# Altium PCB PCB2.PcbDoc
Units mil, origin at the board's own origin, x right, y up, seen from the top; angles counter-clockwise.
Board outline 2351.91 x 5114.16 mil, 2 copper layers (Top Layer, Bottom Layer); 63 components, 49 nets, 333 pads, 134 vias.
Unrouted connection lines stored in the file: 3.
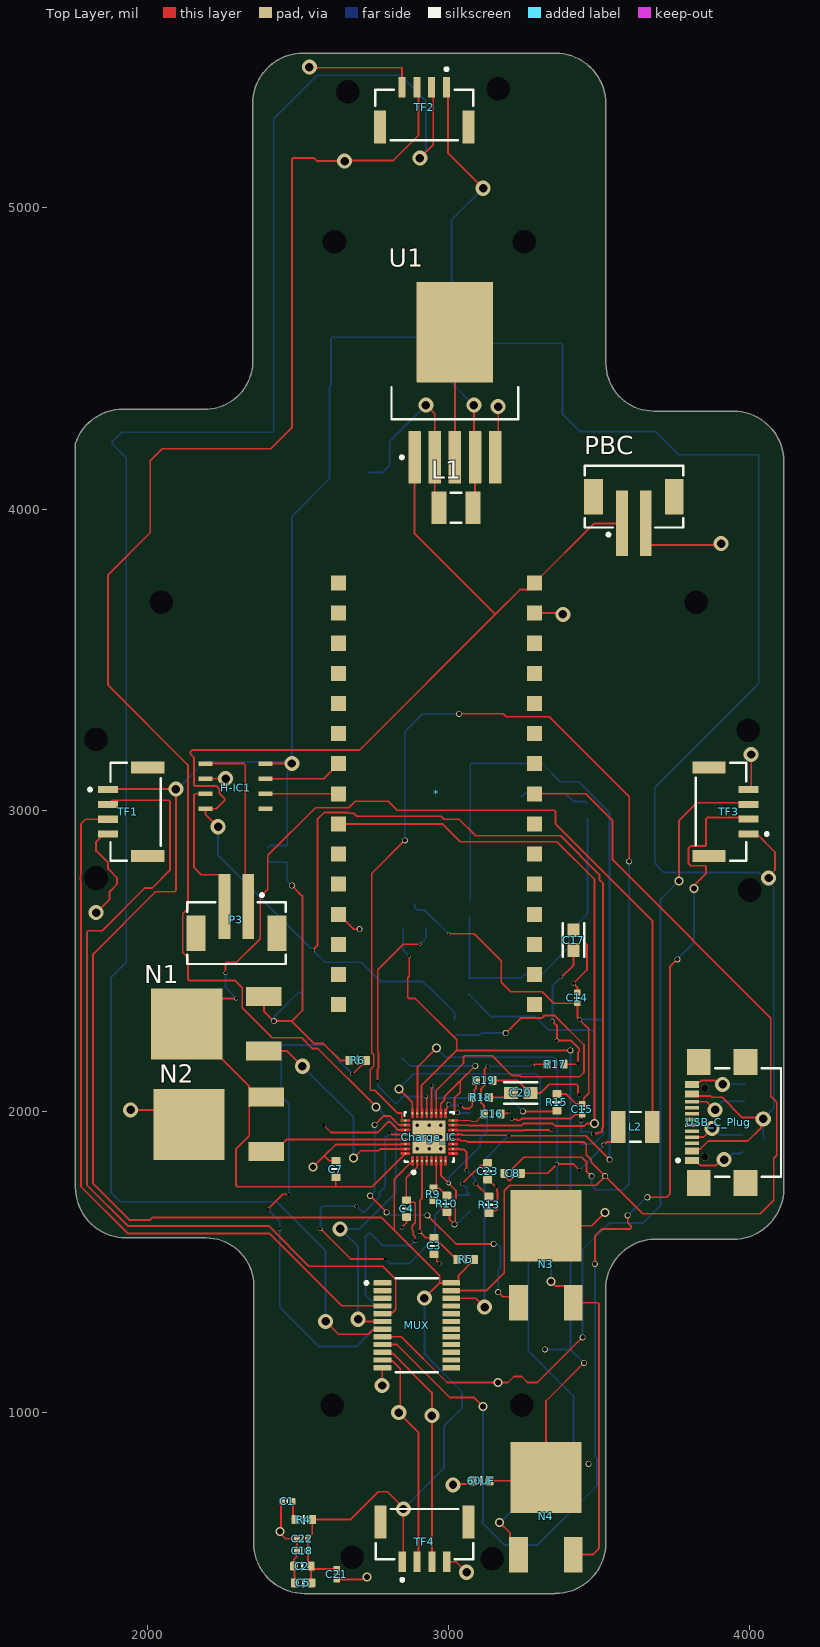
[diagram p0: Top Layer view]
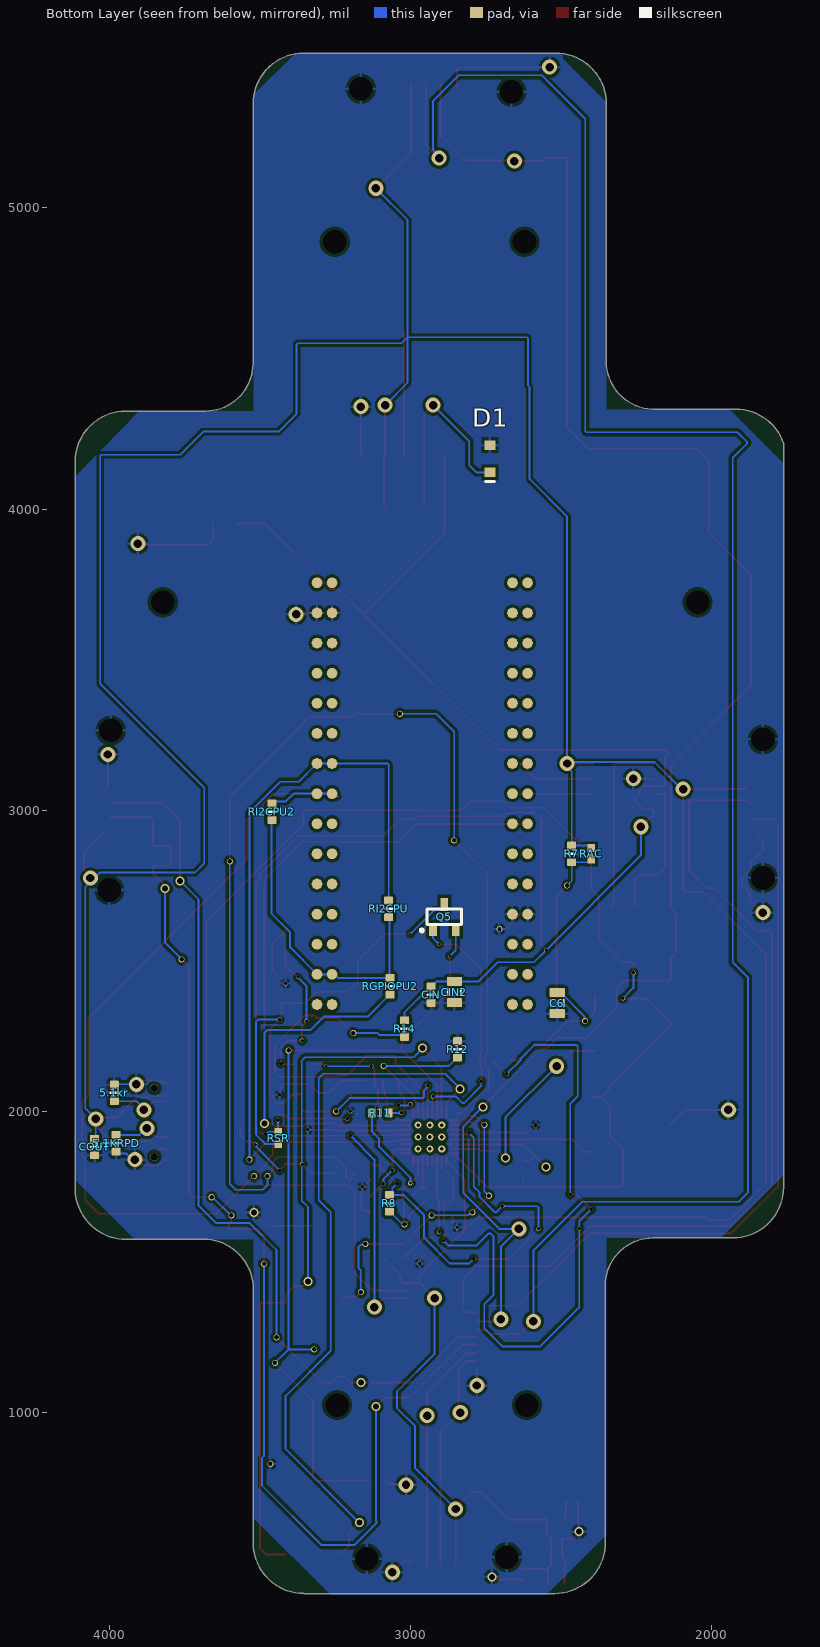
[diagram p1: Bottom Layer view, seen from below]
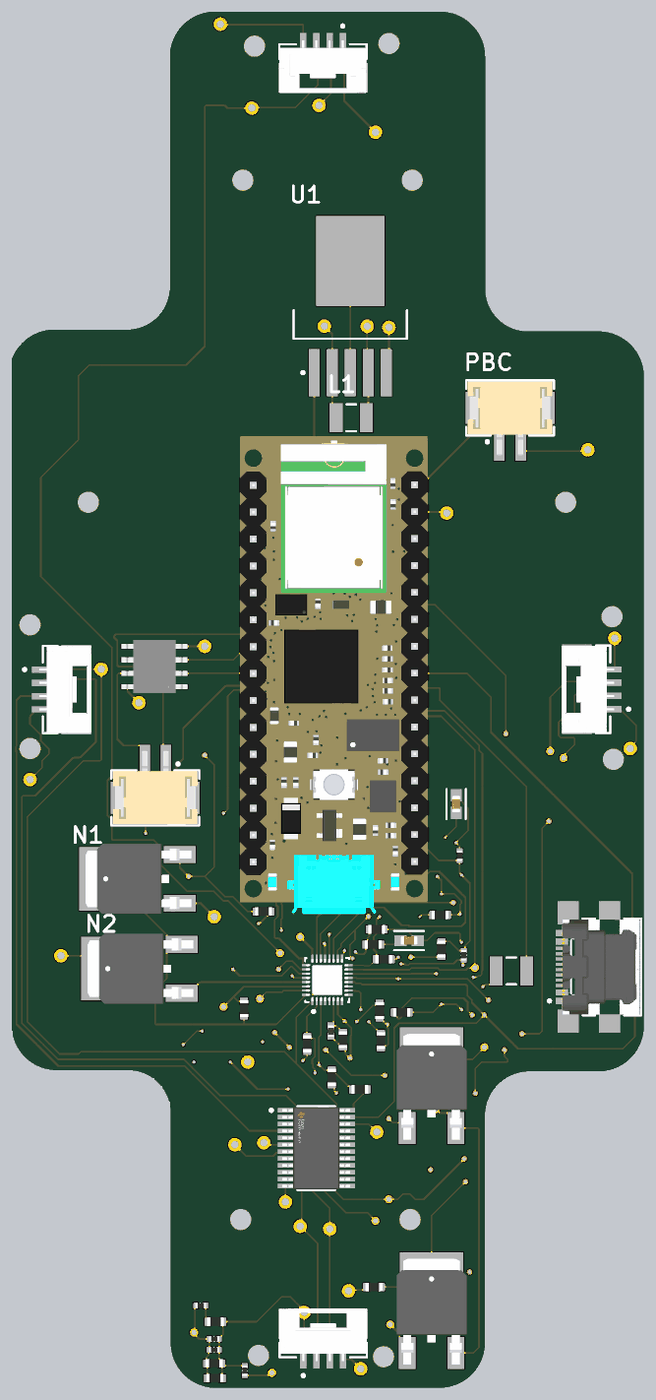
[diagram p2: 3D render of the assembled board from above, using the file's embedded part models]
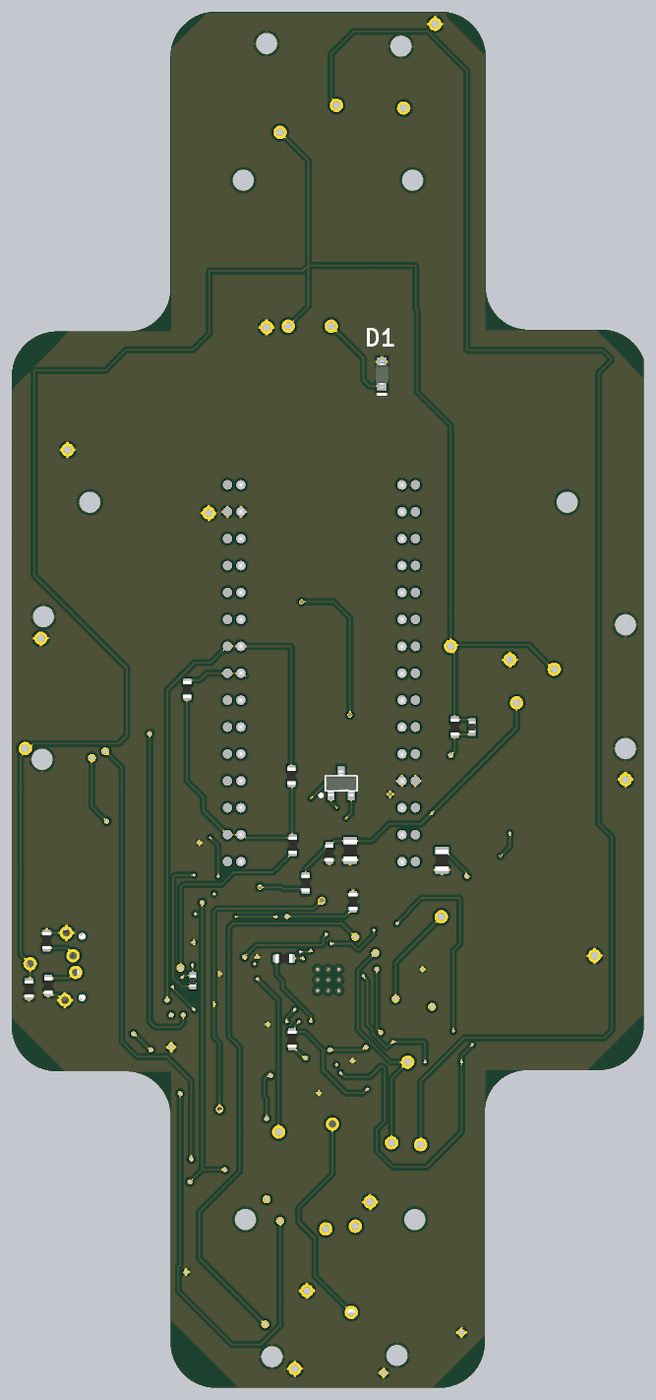
[diagram p3: 3D render of the assembled board from below, using the file's embedded part models]

## Layer stack, top to bottom
Top Solder: solder mask 0.4, Solder Resist, Dk 3.5
Top Layer: signal copper 1.4
Dielectric 1: dielectric 12.6, FR-4, Dk 4.8
Bottom Layer: signal copper 1.4
Bottom Solder: solder mask 0.4, Solder Resist, Dk 3.5

## Board outline
1930,1579.98 2195,1579.98 cw(c2195,1421.56) 2353.42,1421.56 2353.42,568.48 2353.37,567.75 ccw(c2521.83,567.75) 2521.83,399.3 3353.7,399.3 3355.25,399.54 ccw(c3353.7,567.99) 3522.16,567.99 3522.16,1410 cw(c3687.84,1409.91) 3687.92,1575.59 3944.84,1575.59 ccw(c3944.84,1744.05) 4113.28,1742.14 4113.45,1743.44 4113.45,4156.56 ccw(c3945,4156.56) 3945.95,4325.01 3945,4325.1 3681.34,4325.1 cw(c3681.34,4483.53) 3522.92,4483.53 3522.9,4483.94 3522.9,5344.94 ccw(c3354.44,5344.94) 3355.23,5513.39 3354.44,5513.45 2518.44,5513.45 ccw(c2518.44,5345) 2349.99,5345 2349.99,4490 cw(c2191.56,4490) 2198.89,4331.75 1920.41,4331.75 ccw(c1920.41,4163.29) 1761.85,4220.16 1761.55,4218.44 1761.55,1748.44 ccw(c1930,1748.44)

## Design rules (kind name [scope] priority, off if disabled: settings)
Clearance Clearance_1 [All] p1: gap=10 ignorepadtopadclearanceinfootprint=FALSE
Clearance [All] p2: gap=10 ignorepadtopadclearanceinfootprint=FALSE
PolygonConnect [All] p1: connectstyle=Relief reliefconductorwidth=10 reliefentries=4 polygonreliefangle="90 Angle" airgapwidth=10
RoutingVias RoutingVias_1 [All] p1: holewidth=3.94 width=4.5 viastyle="Through Hole" minholewidth=3.94 minwidth=3.94 maxholewidth=28 maxwidth=50
SolderMaskExpansion [All] p1: expansion=4 istentingtop=FALSE
SupplyNets "Schematic Supply Nets" [InNet('VBUS')] p1: voltage=0.000
SupplyNets "Schematic Supply Nets_1" [InNet('BAT-')] p2: voltage=0.000
Width [All] p1: maxlimit=10 minlimit=1 preferedwidth=6 minimp=50.000000 maximp=50.000000 favimp=50.000000
30 further rules are at their usual default settings.

## Components (designator, comment, footprint, x,y, rotation, side; value= is the part's Value field where it differs from the comment)
5.1kr "5K1 0.1 0603" RESC0603(1608)_L 3983.1,2061.42 r90 bottom value=5.1k (schematic designator 5.1KRPD2)
5.1KRPD "5K1 0.1 0603" RESC0603(1608)_L 3977.19,1894.27 r270 bottom value=5.1k
60uF "0603-CAP" RESC0603(1608)_L 3109.26,773.83 r0 top value=60uF
* "ARDUNIO_33_NANO_IOT" Arduino33NanoIOT 3310.55,2204.41 r90 top
C1 "Capacitor 1u" RESC0402(1005)_L 2465,705 r0 top value=1µF
C2 "0603-CAP" RESC0603(1608)_L 2515,490 r0 top value=40uF
C3 "Capacitor 33n" RESC0603(1608)_L 2952.43,1553.22 r90 top value=33nF
C4 "Capacitor 33n" RESC0603(1608)_L 2861.09,1677.49 r90 top value=33nF
C5 "Capacitor 470n" RESC0603(1608)_L 2517.56,435 r0 top value=470nF
C6 "Capacitor 10u" RESC0805(2012)_L 2512.76,2360.08 r90 bottom value=10µF
C7 "Capacitor 47n" RESC0603(1608)_L 2625.95,1808.75 r270 top value=47nF
C8 "Capacitor 47n" RESC0603(1608)_L 3212.98,1794.69 r0 top value=47nF
C14 "Capacitor 1u" RESC0402(1005)_L 3428.01,2376.93 r270 top value=1µF
C15 "Capacitor 1u" RESC0402(1005)_L 3443.54,2006.87 r270 top value=1µF
C16 "Capacitor 33p" RESC0603(1608)_L 3145.98,1992.05 r180 top value=33pF
C17 "1800pf" FP-GRM188-0_1-e0_2_0_5-IPC_A 3415.49,2568.85 r270 top
C18 "Capacitor 1u" RESC0402(1005)_L 2514.83,540.75 r0 top value=1µF
C19 "Capacitor 33p" RESC0603(1608)_L 3119.44,2103.1 r180 top value=33pF
C20 "1800pf" FP-GRM188-0_1-e0_2_0_5-IPC_A 3240.06,2061.42 r180 top
C21 "Capacitor 1u" RESC0402(1005)_L 2628.94,463.46 r90 top value=1µF
C22 "Capacitor 1u" RESC0402(1005)_L 2515.17,581.25 r0 top value=1µF
C23 "Capacitor 3u3" RESC0603(1608)_L 3130.36,1801.26 r90 top value=3.3µF
Charge_IC "BQ25703ARSNT" FP-RSN0032B-MFG 2935.55,1915 r90 top
CIN "0603-CAP" RESC0603(1608)_L 2931.35,2387.7 r90 bottom value=470u
CIN2 "Capacitor 10u" RESC0805(2012)_L 2854.07,2396.51 r90 bottom value=10µF
COUT "0603-CAP" RESC0603(1608)_L 4048.79,1881.97 r90 bottom value=470u
D1 "DIODE_SCHOTTKY_SOD-323" SOD-323 2736.25,4166.72 r90 bottom
H-IC1 "DriveMotorControl" TB67H451FNG,EL 2393.04,3004.69 r90 top
L1 "22uH" INDC3225X24N 3024.93,4004.22 r0 top
L2 "IND_1210" INDC3225X24N 3620.53,1948.59 r180 top value=2.2uH
MUX "TCA9548APWR" FP-PW0024A-MFG 2895,1290 r0 top
N1 "Q1" DPAK(2-7K1S) 2249.3,2290.69 r90 top
N2 "Q2" DPAK(2-7K1S) 2256.53,1956.86 r90 top
N3 "Q3" DPAK(2-7K1S) 3323.67,1502.21 r0 top
N4 "Q4" DPAK(2-7K1S) 3323.67,666.6 r0 top
P3 "620302124022" 620302124022 2296.09,2591.93 r0 top
PBC "620302124022" 620302124022 3615.71,4040.98 r180 top
Q5 "DMP3056L-7" SOT96P240X110-3N/SOT23-3 2887.64,2645.86 r90 bottom
R4 "2R2 5 0603" RESC0603(1608)_L 2520,645 r0 top value=2.2
R5 "5R1 5 0603" RESC0603(1608)_L 3056.81,1508.57 r0 top value=5.1
R6 "5R1 5 0603" RESC0603(1608)_L 2698.32,2169.21 r180 top value=5.1
R7 "1K 0.1 0603" RESC0603(1608)_L 2465,2855 r90 bottom value=1k
R8 "10R 0.1 0603" RESC0603(1608)_L 3070,1695 r270 bottom value=10
R9 "Resistor 0R +/- 5% 0402 100 mW" RESC1005X40X25ML05T05 2950,1725 r270 top value=0
R10 "1R 5 0603" RESC0603(1608)_L 2994.41,1692.77 r90 top value=1
R11 "300K 0.1 0603" RESC0603(1608)_L 3100,1995 r0 bottom value=300k
R12 "200K 0.1 0603" RESC0603(1608)_L 2843.26,2206.05 r270 bottom value=200k
R13 "30K 0.1 0603" RESC0603(1608)_L 3135,1690 r90 top value=30k
R14 "10R 0.1 0603" RESC0603(1608)_L 3020,2275 r270 bottom value=10
R15 "10R 0.1 0603" RESC0603(1608)_L 3360,2030 r270 top value=10
R17 "2R2 5 0603" RESC0603(1608)_L 3355.24,2156.78 r0 top value=2.2
R18 "2R2 5 0603" RESC0603(1608)_L 3106.74,2046.81 r0 top value=2.2
RAC "Resistor 0R +/- 5% 0402 100 mW" RESC1005X40X25ML05T05 2400,2855 r270 bottom value=0
RGPIOPU2 "10K 0.1 0603" RESC0603(1608)_L 3067.45,2415.61 r270 bottom value=10k
RI2CPU "10K 0.1 0603" RESC0603(1608)_L 3072.47,2672.76 r90 bottom value=10k
RI2CPU2 "10K 0.1 0603" RESC0603(1608)_L 3460,2995 r90 bottom value=10k
RSR "Resistor 0R +/- 5% 0402 100 mW" RESC1005X40X25ML05T05 3439.6,1911.67 r90 bottom value=0
TF1 "BM04B-GHS-TBT(LF)(SN)(N)" FP-BM04B-GHS-TBT_LF_SN-MFG 1961.54,2994.61 r90 top
TF2 "BM04B-GHS-TBT(LF)(SN)(N)" FP-BM04B-GHS-TBT_LF_SN-MFG 2919.61,5308.46 r0 top
TF3 "BM04B-GHS-TBT(LF)(SN)(N)" FP-BM04B-GHS-TBT_LF_SN-MFG 3905,2995 r270 top
TF4 "BM04B-GHS-TBT(LF)(SN)(N)" FP-BM04B-GHS-TBT_LF_SN-MFG 2920.39,596.54 r180 top
U1 "LM2596S-5.0/NOPB" KTT0005B_M 3021.25,4419.71 r90 top
USB_C_Plug "USB4110-GF-A" FP-USB4110-GF-A-MFG 3953.57,1963.36 r90 top

## Footprints (in the part's own frame and the unit in brackets; to place one, negate y for a bottom-side part, rotate by r counter-clockwise, add the part's x,y. Pads: shape width x height; smd on the part's side, far side on the other; paste and mask are expansions set on the pad)
620302124022 [mm] "2.00mm SMT Male Vertical Shrouded Header, 2p"
  rect 1x5.5 smd: 1(1,2.25) 2(-1,2.25)
  rect 1.6x3 smd: MP1(-3.4,0) MP2(3.4,0)
  silkscreen extent -4.15,-2.6 4.15,3.32, body extent -4,-2.5 4,4.51, height 6.77
Arduino33NanoIOT [mm]
  rect 1.27x1.27 smd: 1(3.81,0.635) 2(6.35,0.635) 3(8.89,0.635) 4(11.43,0.635) 5(13.97,0.635) 6(16.51,0.635) 7(19.05,0.635) 8(21.59,0.635) 9(24.13,0.635) 10(26.67,0.635) 11(29.21,0.635) 12(31.75,0.635) 13(34.29,0.635) 14(36.83,0.635) 15(39.37,0.635) 16(3.81,17.145) 17(6.35,17.145) 18(8.89,17.145) 19(11.43,17.145) 20(13.97,17.145) 21(16.51,17.145) 22(19.05,17.145) 23(21.59,17.145) 24(24.13,17.145) 25(26.67,17.145) 26(29.21,17.145) 27(31.75,17.145) 28(34.29,17.145) 29(36.83,17.145) 30(39.37,17.145)
  round 0.9 smd far side: 1(3.825,0) 1(3.825,1.27) 2(6.365,0) 2(6.365,1.27) 3(8.905,0) 3(8.905,1.27) 4(11.445,0) 4(11.445,1.27) 5(13.985,0) 5(13.985,1.27) 6(16.525,0) 6(16.525,1.27) 7(19.065,0) 7(19.065,1.27) 8(21.605,0) 8(21.605,1.27) 9(24.145,0) 9(24.145,1.27) 10(26.685,0) 10(26.685,1.27) 11(29.225,0) 11(29.225,1.27) 12(31.765,0) 12(31.765,1.27) 13(34.305,0) 13(34.305,1.27) 14(36.845,0) 14(36.845,1.27) 15(39.385,0) 15(39.385,1.27) 16(3.825,17.756) 16(3.825,16.486) 17(6.365,17.756) 17(6.365,16.486) 18(8.905,16.486) 18(8.905,17.756) 19(11.445,16.486) 19(11.445,17.756) 20(13.985,16.486) 20(13.985,17.756) 21(16.525,16.486) 21(16.525,17.756) 22(19.065,16.486) 22(19.065,17.756) 23(21.605,16.486) 23(21.605,17.756) 24(24.145,16.486) 24(24.145,17.756) 25(26.685,16.486) 25(26.685,17.756) 26(29.225,16.486) 26(29.225,17.756) 27(31.765,16.486) 27(31.765,17.756) 28(34.305,16.486) 28(34.305,17.756) 29(36.845,16.486) 29(36.845,17.756) 30(39.385,16.486) 30(39.385,17.756)
  body extent -1.13,0 44,17.78, height 9.36
DPAK(2-7K1S) [mm]
  rect 1.6x3 smd: 1(-2.3,-3.5) 3(2.3,-3.5)
  rect 6x6 smd: 2(0,3)
  body extent -3.3,-4.6 3.3,5.4, height 2.27
FP-BM04B-GHS-TBT_LF_SN-MFG [mm]
  rect 0.6x1.7 smd paste+0 mask+0: 1(1.875,2.325) 2(0.625,2.325) 3(-0.625,2.325) 4(-1.875,2.325)
  rect 1x2.8 smd paste+0 mask+0: 5(-3.725,-1.025) 6(3.725,-1.025)
  silkscreen extent -4.13,-2.12 4.13,3.97, body extent -4.33,-2.52 4.33,3.27, height 0.25
FP-GRM188-0_1-e0_2_0_5-IPC_A [mil]
  rect 45.62x39.85 smd paste+0 mask+0: 1(-32.55,0) 2(32.55,0)
  silkscreen extent -55,-36 55,36, body extent -75,-40 75,40, height 10
FP-PW0024A-MFG [mm]
  rrect22% 1.5x0.45 smd paste+0 mask+0: 1(-2.9,3.575) 2(-2.9,2.925) 3(-2.9,2.275) 4(-2.9,1.625) 5(-2.9,0.975) 6(-2.9,0.325) 7(-2.9,-0.325) 8(-2.9,-0.975) 9(-2.9,-1.625) 10(-2.9,-2.275) 11(-2.9,-2.925) 12(-2.9,-3.575) 13(2.9,-3.575) 14(2.9,-2.925) 15(2.9,-2.275) 16(2.9,-1.625) 17(2.9,-0.975) 18(2.9,-0.325) 19(2.9,0.325) 20(2.9,0.975) 21(2.9,1.625) 22(2.9,2.275) 23(2.9,2.925) 24(2.9,3.575)
  silkscreen extent -4.37,-3.95 1.78,3.95, body extent -3.75,-4.2 3.75,4.2, height 0.25
FP-RSN0032B-MFG [mm]
  round 0.18 smd paste+0 mask+0: 1(-2.01,1.4) 2(-2.01,1) 3(-2.01,0.6) 4(-2.01,0.2) 5(-2,-0.2) 6(-2,-0.6) 7(-2,-1) 8(-2,-1.4) 9(-1.4,-2.01) 10(-1,-2.01) 11(-0.6,-2.01) 12(-0.2,-2.01) 13(0.2,-2) 14(0.6,-2) 15(1,-2) 16(1.4,-2) 17(2.01,-1.4) 18(2.01,-1) 19(2.01,-0.6) 20(2.01,-0.2) 21(2,0.2) 22(2,0.6) 23(2,1) 24(2,1.4) 25(1.4,2.01) 26(1,2.01) 27(0.6,2.01) 28(0.2,2.01) 29(-0.2,2) 30(-0.6,2) 31(-1,2) 32(-1.4,2)
  rect 2.8x2.8 smd paste-1000 mask+0: 33(0,0)
  Top Layer region: -2.4,1.5 -1.7,1.5 -1.662,1.492 -1.629,1.471 -1.608,1.438 -1.6,1.4 -1.6,1.4 -1.613,1.35 -1.65,1.313 -1.7,1.3 -1.7,1.3 -2.4,1.3
  Top Layer region: -2.4,1.1 -1.7,1.1 -1.662,1.092 -1.629,1.071 -1.608,1.038 -1.6,1 -1.6,1 -1.613,0.95 -1.65,0.913 -1.7,0.9 -1.7,0.9 -2.4,0.9
  Top Layer region: -2.4,0.7 -1.7,0.7 -1.662,0.692 -1.629,0.671 -1.608,0.638 -1.6,0.6 -1.6,0.6 -1.613,0.55 -1.65,0.513 -1.7,0.5 -1.7,0.5 -2.4,0.5
  Top Layer region: -2.4,0.3 -1.7,0.3 -1.662,0.292 -1.629,0.271 -1.608,0.238 -1.6,0.2 -1.6,0.2 -1.613,0.15 -1.65,0.113 -1.7,0.1 -1.7,0.1 -2.4,0.1
  Top Layer region: -2.4,-0.1 -1.7,-0.1 -1.662,-0.108 -1.629,-0.129 -1.608,-0.162 -1.6,-0.2 -1.6,-0.2 -1.613,-0.25 -1.65,-0.287 -1.7,-0.3 -1.7,-0.3 -2.4,-0.3
  Top Layer region: -2.4,-0.5 -1.7,-0.5 -1.662,-0.508 -1.629,-0.529 -1.608,-0.562 -1.6,-0.6 -1.6,-0.6 -1.613,-0.65 -1.65,-0.687 -1.7,-0.7 -1.7,-0.7 -2.4,-0.7
  Top Layer region: -2.4,-0.9 -1.7,-0.9 -1.662,-0.908 -1.629,-0.929 -1.608,-0.962 -1.6,-1 -1.6,-1 -1.613,-1.05 -1.65,-1.087 -1.7,-1.1 -1.7,-1.1 -2.4,-1.1
  Top Layer region: -2.4,-1.3 -1.7,-1.3 -1.662,-1.308 -1.629,-1.329 -1.608,-1.362 -1.6,-1.4 -1.6,-1.4 -1.613,-1.45 -1.65,-1.487 -1.7,-1.5 -1.7,-1.5 -2.4,-1.5
  Top Layer region: 2.4,-1.5 1.7,-1.5 1.662,-1.492 1.629,-1.471 1.608,-1.438 1.6,-1.4 1.6,-1.4 1.608,-1.362 1.629,-1.329 1.662,-1.308 1.7,-1.3 1.7,-1.3 2.4,-1.3
  Top Layer region: 2.4,-1.1 1.7,-1.1 1.662,-1.092 1.629,-1.071 1.608,-1.038 1.6,-1 1.6,-1 1.608,-0.962 1.629,-0.929 1.662,-0.908 1.7,-0.9 1.7,-0.9 2.4,-0.9
  Top Layer region: 2.4,-0.7 1.7,-0.7 1.662,-0.692 1.629,-0.671 1.608,-0.638 1.6,-0.6 1.6,-0.6 1.608,-0.562 1.629,-0.529 1.662,-0.508 1.7,-0.5 1.7,-0.5 2.4,-0.5
  Top Layer region: 2.4,-0.3 1.7,-0.3 1.662,-0.292 1.629,-0.271 1.608,-0.238 1.6,-0.2 1.6,-0.2 1.608,-0.162 1.629,-0.129 1.662,-0.108 1.7,-0.1 1.7,-0.1 2.4,-0.1
  Top Layer region: 2.4,0.1 1.7,0.1 1.662,0.108 1.629,0.129 1.608,0.162 1.6,0.2 1.6,0.2 1.608,0.238 1.629,0.271 1.662,0.292 1.7,0.3 1.7,0.3 2.4,0.3
  Top Layer region: 2.4,0.5 1.7,0.5 1.662,0.508 1.629,0.529 1.608,0.562 1.6,0.6 1.6,0.6 1.608,0.638 1.629,0.671 1.662,0.692 1.7,0.7 1.7,0.7 2.4,0.7
  Top Layer region: 2.4,0.9 1.7,0.9 1.662,0.908 1.629,0.929 1.608,0.962 1.6,1 1.6,1 1.608,1.038 1.629,1.071 1.662,1.092 1.7,1.1 1.7,1.1 2.4,1.1
  Top Layer region: 2.4,1.3 1.7,1.3 1.662,1.308 1.629,1.329 1.608,1.362 1.6,1.4 1.6,1.4 1.608,1.438 1.629,1.471 1.662,1.492 1.7,1.5 1.7,1.5 2.4,1.5
  Top Layer region: -1.5,-2.4 -1.5,-1.7 -1.492,-1.662 -1.471,-1.629 -1.438,-1.608 -1.4,-1.6 -1.4,-1.6 -1.362,-1.608 -1.329,-1.629 -1.308,-1.662 -1.3,-1.7 -1.3,-1.7 -1.3,-2.4
  Top Layer region: -1.1,-2.4 -1.1,-1.7 -1.092,-1.662 -1.071,-1.629 -1.038,-1.608 -1,-1.6 -1,-1.6 -0.962,-1.608 -0.929,-1.629 -0.908,-1.662 -0.9,-1.7 -0.9,-1.7 -0.9,-2.4
  Top Layer region: -0.7,-2.4 -0.7,-1.7 -0.692,-1.662 -0.671,-1.629 -0.638,-1.608 -0.6,-1.6 -0.6,-1.6 -0.562,-1.608 -0.529,-1.629 -0.508,-1.662 -0.5,-1.7 -0.5,-1.7 -0.5,-2.4
  Top Layer region: -0.3,-2.4 -0.3,-1.7 -0.292,-1.662 -0.271,-1.629 -0.238,-1.608 -0.2,-1.6 -0.2,-1.6 -0.162,-1.608 -0.129,-1.629 -0.108,-1.662 -0.1,-1.7 -0.1,-1.7 -0.1,-2.4
  Top Layer region: 0.1,-2.4 0.1,-1.7 0.108,-1.662 0.129,-1.629 0.162,-1.608 0.2,-1.6 0.2,-1.6 0.238,-1.608 0.271,-1.629 0.292,-1.662 0.3,-1.7 0.3,-1.7 0.3,-2.4
  Top Layer region: 0.5,-2.4 0.5,-1.7 0.508,-1.662 0.529,-1.629 0.562,-1.608 0.6,-1.6 0.6,-1.6 0.638,-1.608 0.671,-1.629 0.692,-1.662 0.7,-1.7 0.7,-1.7 0.7,-2.4
  Top Layer region: 0.9,-2.4 0.9,-1.7 0.908,-1.662 0.929,-1.629 0.962,-1.608 1,-1.6 1,-1.6 1.038,-1.608 1.071,-1.629 1.092,-1.662 1.1,-1.7 1.1,-1.7 1.1,-2.4
  Top Layer region: 1.3,-2.4 1.3,-1.7 1.308,-1.662 1.329,-1.629 1.362,-1.608 1.4,-1.6 1.4,-1.6 1.438,-1.608 1.471,-1.629 1.492,-1.662 1.5,-1.7 1.5,-1.7 1.5,-2.4
  Top Layer region: 1.5,2.4 1.5,1.7 1.487,1.65 1.45,1.613 1.4,1.6 1.4,1.6 1.362,1.608 1.329,1.629 1.308,1.662 1.3,1.7 1.3,1.7 1.3,2.4
  Top Layer region: 1.1,2.4 1.1,1.7 1.087,1.65 1.05,1.613 1,1.6 1,1.6 0.962,1.608 0.929,1.629 0.908,1.662 0.9,1.7 0.9,1.7 0.9,2.4
  Top Layer region: 0.7,2.4 0.7,1.7 0.687,1.65 0.65,1.613 0.6,1.6 0.6,1.6 0.562,1.608 0.529,1.629 0.508,1.662 0.5,1.7 0.5,1.7 0.5,2.4
  Top Layer region: 0.3,2.4 0.3,1.7 0.287,1.65 0.25,1.613 0.2,1.6 0.2,1.6 0.162,1.608 0.129,1.629 0.108,1.662 0.1,1.7 0.1,1.7 0.1,2.4
  Top Layer region: -0.1,2.4 -0.1,1.7 -0.113,1.65 -0.15,1.613 -0.2,1.6 -0.2,1.6 -0.238,1.608 -0.271,1.629 -0.292,1.662 -0.3,1.7 -0.3,1.7 -0.3,2.4
  Top Layer region: -0.5,2.4 -0.5,1.7 -0.513,1.65 -0.55,1.613 -0.6,1.6 -0.6,1.6 -0.638,1.608 -0.671,1.629 -0.692,1.662 -0.7,1.7 -0.7,1.7 -0.7,2.4
  Top Layer region: -0.9,2.4 -0.9,1.7 -0.913,1.65 -0.95,1.613 -1,1.6 -1,1.6 -1.038,1.608 -1.071,1.629 -1.092,1.662 -1.1,1.7 -1.1,1.7 -1.1,2.4
  Top Layer region: -1.3,2.4 -1.3,1.7 -1.313,1.65 -1.35,1.613 -1.4,1.6 -1.4,1.6 -1.438,1.608 -1.471,1.629 -1.492,1.662 -1.5,1.7 -1.5,1.7 -1.5,2.4
  silkscreen extent -3.1,-2.07 2.07,2.07, body extent -2.5,-2.5 2.5,2.5, height 0.25
FP-USB4110-GF-A-MFG [mm]
  rect 2.18x2 smd paste+0 mask+0: 1(-5.11,3.105) 2(5.11,3.105) 3(-5.11,-0.825) 4(5.11,-0.825)
  rect 0.6x1.15 smd paste+0 mask+0: A1-B12(-3.2,3.68) A4-B9(-2.4,3.68) B1-A12(3.2,3.68) B4-A9(2.4,3.68)
  rect 0.3x1.15 smd paste+0 mask+0: A5(-1.25,3.68) A6(-0.25,3.68) A7(0.25,3.68) A8(1.25,3.68) B5(1.75,3.68) B6(0.75,3.68) B7(-0.75,3.68) B8(-1.75,3.68)
  round 0.65 hole 0.65 unplated paste-2539.97 mask+0: ""(-2.89,2.605) ""(2.89,2.605)
  silkscreen extent -4.57,-3.83 4.57,4.99, body extent -6.3,-3.92 6.3,4.36, height 0.25
INDC3225X24N [mm] "Chip Inductor, 2-Leads, Body 3.20x2.50mm, IPC Medium Density"
  rect 1.23x2.72 smd: 1(-1.435,0) 2(1.435,0)
  silkscreen extent -0.45,-1.26 0.45,1.26, body extent -1.7,-1.35 1.7,1.35, height 2.4
KTT0005B_M [mm] "DPAK, 5-Leads, Body 10.65x9.65mm, Pitch 1.7mm, IPC Low Density"
  rrect10% 4.45x1.05 smd: 1(-6.3,3.4) 2(-6.3,1.7) 3(-6.3,0) 4(-6.3,-1.7) 5(-6.3,-3.4)
  rrect2% 8.5x6.45 smd: 6(4.25,0)
  silkscreen extent -6.42,-5.35 -0.4,5.35, body extent -3.1,-5.32 6.55,5.33, height 4.83
RESC0402(1005)_L [mm] "Chip Resistor, Body 1.0x0.5mm, IPC High Density"
  rrect25% 0.5x0.55 smd: 1(-0.45,0) 2(0.45,0)
  silkscreen extent 0,-0.2 0,0.2, body extent -0.5,-0.25 0.5,0.25, height 0.3
RESC0603(1608)_L [mm] "Chip Resistor, Body 1.6x0.8mm, IPC High Density"
  rrect25% 0.66x0.76 smd: 1(-0.7,0) 2(0.7,0)
  silkscreen extent 0,-0.3 0,0.3, body extent -0.8,-0.4 0.8,0.4, height 0.45
RESC0805(2012)_L [mm] "Chip Resistor, Body 2.0x1.3mm, IPC High Density"
  rrect25% 0.76x1.3 smd: 1(-0.9,0) 2(0.89,0)
  silkscreen extent -0.3,-0.55 0.3,0.55, body extent -1,-0.62 1,0.63, height 0.6
RESC1005X40X25ML05T05 [mm] "Chip Resistor, 2-Leads, Body 1.05x0.55mm, IPC Low Density"
  rect 0.65x0.65 smd: 1(-0.5,0) 2(0.5,0)
  body extent -0.53,-0.28 0.53,0.28, height 0.4
SOD-323 [mil]
  rect 31.5x35.43 smd: 1(-45.28,0) 2(45.28,0)
  silkscreen extent -75,-15 -75,15, body extent -49,-25 49,25, height 43
SOT96P240X110-3N/SOT23-3 [mm]
  rect 1.1x0.65 smd: 1(-1.05,0.96) 2(-1.05,-0.96) 3(1.05,0)
  silkscreen extent -1.27,-1.45 0.65,2.03, body extent -1.2,-1.45 1.2,1.45, height 1.1
TB67H451FNG,EL [mm]
  rect 0.36x1.195 smd: 1(0,0) 2(1.27,0) 3(2.54,0) 4(3.81,0) 5(3.81,5.08) 6(2.54,5.08) 7(1.27,5.08) 8(0,5.08)
  round 0.3 on Top Overlay: ""(-0.254,1.143)
  body extent -0.6,-0.56 4.41,5.64, height 1.7
